# Altium PCB Main_PCB.PcbDoc (part 4 of 13) (continued)
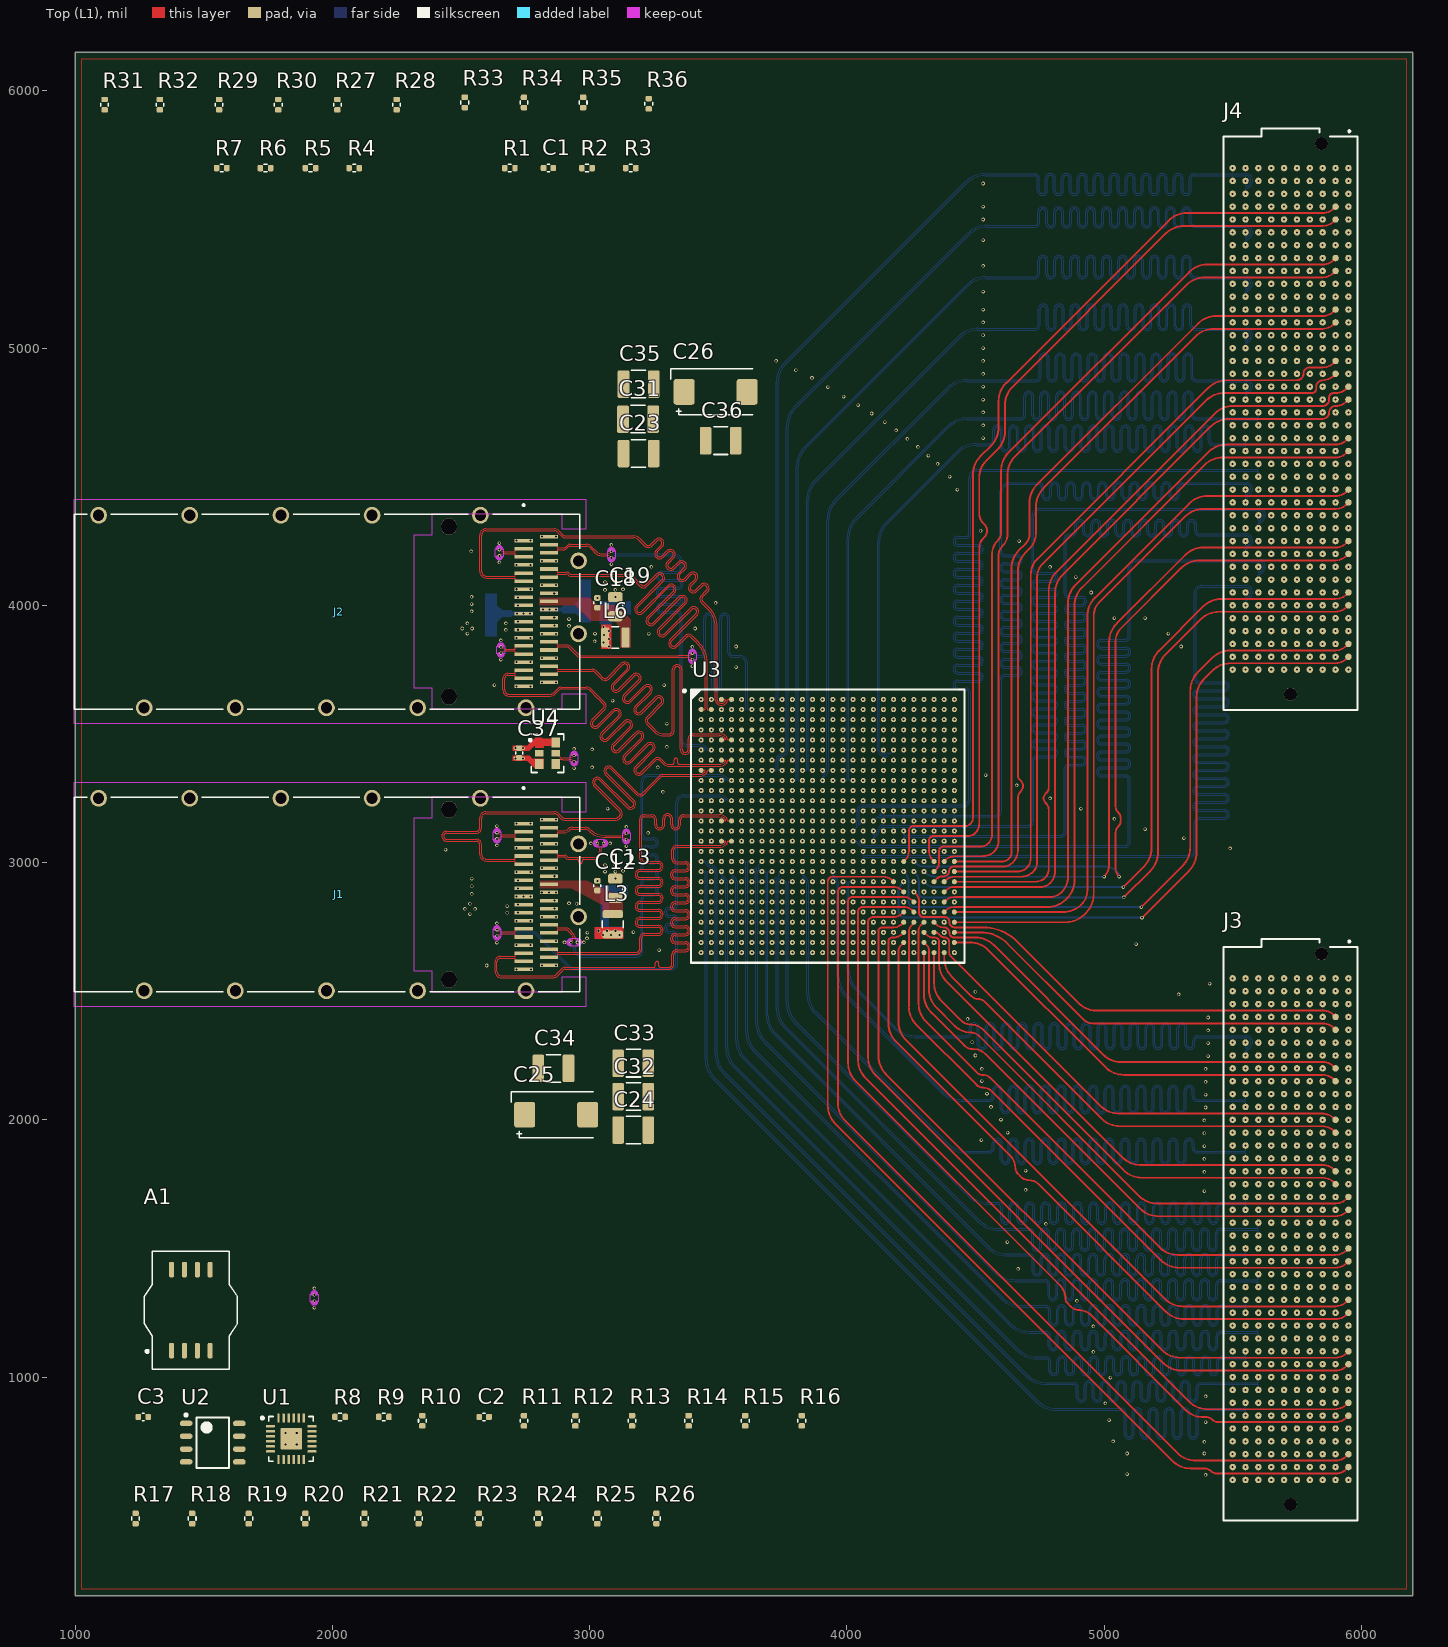
[diagram p0: Top (L1) view]
## Nets (pads, with @x,y where several pads share a name; then routed paths per layer and width w, separated by ;. In a path a pad name is that pad's centre, name@x,y a point inside that pad or via, vN(x,y) a via of type N, cw(c..) or ccw(c..) an arc to the next point about the centre after c; other vN are vias at no path point) (continued)
HPCC_A_30_N: J3.E23 U3.AD9 | length 3575.2
  Int7 (L8) w3.5: v1(3748.82,2728.74) 3748.82,2741.18 cw(c3752.32,2741.18) 3749.84,2743.65 cw(c3752.32,2741.18) 3752.32,2744.68 cw(c3752.32,2741.18) 3754.79,2743.65 cw(c3730.15,2719.01) 3765,2719.01 3765,2452.62 ccw(c3873.8,2452.62) 3796.87,2375.69 4670.09,1502.47 ccw(c4747.02,1579.4) 4747.02,1470.6 4889.94,1470.6 4928.4,1470.6 cw(c4928.4,1458.85) 4940.15,1458.85 4940.15,1418.62 ccw(c4960.7,1418.62) 4981.25,1418.62 4981.25,1459.82 cw(c4993,1459.82) 5004.75,1459.82 5004.75,1418.62 ccw(c5025.3,1418.62) 5045.85,1418.62 5045.85,1459.82 cw(c5057.6,1459.82) 5069.35,1459.82 5069.35,1418.62 ccw(c5089.9,1418.62) 5110.45,1418.62 5110.45,1459.82 cw(c5122.2,1459.82) 5133.95,1459.82 5133.95,1418.62 ccw(c5154.5,1418.62) 5175.05,1418.62 5175.05,1459.82 cw(c5186.8,1459.82) 5198.55,1459.82 5198.55,1418.62 ccw(c5219.1,1418.62) 5239.65,1418.62 5239.65,1459.82 cw(c5251.4,1459.82) 5263.15,1459.82 5263.15,1418.62 ccw(c5283.7,1418.62) 5304.25,1418.62 5304.25,1459.82 cw(c5316,1459.82) 5327.75,1459.82 5327.75,1418.62 ccw(c5348.3,1418.62) 5368.85,1418.62 5368.85,1458.85 cw(c5380.6,1458.85) 5380.6,1470.6 5409,1470.6 5746.5,1470.6 cw(c5746.5,1467.1) 5748.97,1469.57 cw(c5746.5,1467.1) 5750,1467.1 v1(5750,1450)
HPCC_A_30_P: J3.E22 U3.AC9 | length 3573.6
  Int7 (L8) w3.5: v1(3748.82,2768.11) 3748.82,2755.68 ccw(c3752.32,2755.68) 3749.84,2753.2 ccw(c3752.32,2755.68) 3752.32,2752.18 3752.37,2752.18 cw(c3752.37,2741.3) 3760.06,2748.99 3760.17,2748.88 cw(c3730.41,2719.12) 3772.5,2719.12 3772.5,2625 cw(c3769.36,2621.86) 3773.8,2621.86 3773.8,2452.62 ccw(c3873.8,2452.62) 3803.09,2381.91 4676.31,1508.69 ccw(c4747.02,1579.4) 4747.02,1479.4 4889.94,1479.4 4928.4,1479.4 cw(c4928.4,1458.85) 4948.95,1458.85 4948.95,1418.62 ccw(c4960.7,1418.62) 4972.45,1418.62 4972.45,1459.82 cw(c4993,1459.82) 5013.55,1459.82 5013.55,1418.62 ccw(c5025.3,1418.62) 5037.05,1418.62 5037.05,1459.82 cw(c5057.6,1459.82) 5078.15,1459.82 5078.15,1418.62 ccw(c5089.9,1418.62) 5101.65,1418.62 5101.65,1459.82 cw(c5122.2,1459.82) 5142.75,1459.82 5142.75,1418.62 ccw(c5154.5,1418.62) 5166.25,1418.62 5166.25,1459.82 cw(c5186.8,1459.82) 5207.35,1459.82 5207.35,1418.62 ccw(c5219.1,1418.62) 5230.85,1418.62 5230.85,1459.82 cw(c5251.4,1459.82) 5271.95,1459.82 5271.95,1418.62 ccw(c5283.7,1418.62) 5295.45,1418.62 5295.45,1459.82 cw(c5316,1459.82) 5336.55,1459.82 5336.55,1418.62 ccw(c5348.3,1418.62) 5360.05,1418.62 5360.05,1458.85 cw(c5380.6,1458.85) 5380.6,1479.4 5409,1479.4 5746.5,1479.4 ccw(c5746.5,1482.9) 5748.97,1480.43 ccw(c5746.5,1482.9) 5750,1482.9 v1(5750,1500)
HPCC_A_31_N: J3.E27 U3.AC7 | length 3572.1
  Int7 (L8) w3.5: v1(3670.08,2768.11) 3670.08,2780.55 cw(c3673.58,2780.55) 3675.59,2783.41 3679.1,2780.95 cw(c3670.08,2768.11) 3685.77,2768.11 3685.77,2689.42 ccw(c3696.77,2689.42) 3685.77,2689.28 3686.26,2649.55 3686.26,2625 3686.26,2406.36 ccw(c3795.06,2406.36) 3718.13,2329.43 4745.09,1302.47 ccw(c4822.02,1379.4) 4822.02,1270.6 5017.69,1270.6 5056.14,1270.6 cw(c5056.14,1258.85) 5067.89,1258.85 5067.89,1217.86 ccw(c5088.44,1217.86) 5108.99,1217.86 5108.99,1259.65 cw(c5120.74,1259.65) 5132.49,1259.65 5132.49,1217.86 ccw(c5153.04,1217.86) 5173.59,1217.86 5173.59,1259.65 cw(c5185.34,1259.65) 5197.09,1259.65 5197.09,1217.86 ccw(c5217.64,1217.86) 5238.19,1217.86 5238.19,1259.65 cw(c5249.94,1259.65) 5261.69,1259.65 5261.69,1217.86 ccw(c5282.24,1217.86) 5302.79,1217.86 5302.79,1259.65 cw(c5314.54,1259.65) 5326.29,1259.65 5326.29,1217.86 ccw(c5346.84,1217.86) 5367.39,1217.86 5367.39,1258.85 cw(c5379.14,1258.85) 5379.14,1270.6 5413,1270.6 5746.5,1270.6 cw(c5746.5,1267.1) 5748.97,1269.57 cw(c5746.5,1267.1) 5750,1267.1 v1(5750,1250)
HPCC_A_31_P: J3.E26 U3.AB7 | length 3570.4
  Int7 (L8) w3.5: v1(3670.08,2807.48) 3670.08,2795.05 ccw(c3673.58,2795.05) 3673.58,2791.55 cw(c3673.58,2780.55) 3679.9,2789.55 3683.45,2787.05 cw(c3670.08,2768.11) 3693.27,2768.11 3693.27,2689.42 ; 3693.27,2689.37 3693.76,2649.64 3693.76,2625 cw(c3690.62,2621.86) 3695.06,2621.86 3695.06,2406.36 ccw(c3795.06,2406.36) 3724.35,2335.65 4751.31,1308.69 ccw(c4822.02,1379.4) 4822.02,1279.4 5017.69,1279.4 5056.14,1279.4 cw(c5056.14,1258.85) 5076.69,1258.85 5076.69,1217.86 ccw(c5088.44,1217.86) 5100.19,1217.86 5100.19,1259.65 cw(c5120.74,1259.65) 5141.29,1259.65 5141.29,1217.86 ccw(c5153.04,1217.86) 5164.79,1217.86 5164.79,1259.65 cw(c5185.34,1259.65) 5205.89,1259.65 5205.89,1217.86 ccw(c5217.64,1217.86) 5229.39,1217.86 5229.39,1259.65 cw(c5249.94,1259.65) 5270.49,1259.65 5270.49,1217.86 ccw(c5282.24,1217.86) 5293.99,1217.86 5293.99,1259.65 cw(c5314.54,1259.65) 5335.09,1259.65 5335.09,1217.86 ccw(c5346.84,1217.86) 5358.59,1217.86 5358.59,1258.85 cw(c5379.14,1258.85) 5379.14,1279.4 5413,1279.4 5746.5,1279.4 ccw(c5746.5,1282.9) 5748.97,1280.43 ccw(c5746.5,1282.9) 5750,1282.9 v1(5750,1300)
HPCC_A_32_N: J3.E31 U3.AB5 | length 3571.8
  Int7 (L8) w3.5: v1(3591.34,2807.48) 3591.34,2819.92 cw(c3594.84,2819.92) 3596.85,2822.78 3600.36,2820.32 cw(c3591.34,2807.48) 3607.03,2807.48 3607.03,2805.91 3607.03,2340.6 ccw(c3715.83,2340.6) 3638.89,2263.66 4800.09,1102.47 ccw(c4877.02,1179.4) 4877.02,1070.6 5082,1070.6 5120.45,1070.6 cw(c5120.45,1058.85) 5132.2,1058.85 5132.2,1032.47 ccw(c5152.75,1032.47) 5173.3,1032.47 5173.3,1059.15 cw(c5185.05,1059.15) 5196.8,1059.15 5196.8,1032.47 ccw(c5217.35,1032.47) 5237.9,1032.47 5237.9,1059.15 cw(c5249.65,1059.15) 5261.4,1059.15 5261.4,1032.47 ccw(c5281.95,1032.47) 5302.5,1032.47 5302.5,1059.15 cw(c5314.25,1059.15) 5326,1059.15 5326,1032.47 ccw(c5346.55,1032.47) 5367.1,1032.47 5367.1,1058.85 cw(c5378.85,1058.85) 5378.85,1070.6 5408,1070.6 5746.5,1070.6 cw(c5746.5,1067.1) 5748.97,1069.57 cw(c5746.5,1067.1) 5750,1067.1 v1(5750,1050)
HPCC_A_32_P: J3.E30 U3.AA5 | length 3568.5
  Int7 (L8) w3.5: v1(3591.34,2846.85) 3591.34,2834.42 ccw(c3594.84,2834.42) 3594.84,2830.92 cw(c3594.84,2819.92) 3601.16,2828.92 3604.67,2826.45 cw(c3591.34,2807.48) 3614.53,2807.47 ; 3614.53,2805.91 3614.53,2625 cw(c3611.39,2621.86) 3615.83,2621.86 3615.83,2340.6 ccw(c3715.83,2340.6) 3645.11,2269.89 4806.31,1108.69 ccw(c4877.02,1179.4) 4877.02,1079.4 5082,1079.4 5120.45,1079.4 cw(c5120.45,1058.85) 5141,1058.85 5141,1032.47 ccw(c5152.75,1032.47) 5164.5,1032.47 5164.5,1059.15 cw(c5185.05,1059.15) 5205.6,1059.15 5205.6,1032.47 ccw(c5217.35,1032.47) 5229.1,1032.47 5229.1,1059.15 cw(c5249.65,1059.15) 5270.2,1059.15 5270.2,1032.47 ccw(c5281.95,1032.47) 5293.7,1032.47 5293.7,1059.15 cw(c5314.25,1059.15) 5334.8,1059.15 5334.8,1032.47 ccw(c5346.55,1032.47) 5358.3,1032.47 5358.3,1058.85 cw(c5378.85,1058.85) 5378.85,1079.4 5408,1079.4 5746.5,1079.4 ccw(c5746.5,1082.9) 5748.97,1080.43 ccw(c5746.5,1082.9) 5750,1082.9 v1(5750,1100)
HPCC_A_33_N: J3.E35 U3.AD3 | length 3577.7
  Int7 (L8) w3.5: v1(3512.6,2728.74) 3525.03,2728.74 cw(c3525.03,2725.24) 3527.51,2727.72 cw(c3525.03,2725.24) 3528.53,2725.24 3528.53,2279.09 ccw(c3637.33,2279.09) 3560.4,2202.15 4860.09,902.47 ccw(c4937.02,979.4) 4937.02,870.6 5145.64,870.6 5184.09,870.6 cw(c5184.09,858.85) 5195.84,858.85 5195.84,832.35 ccw(c5216.39,832.35) 5236.94,832.35 5236.94,859.59 cw(c5248.69,859.59) 5260.44,859.59 5260.44,832.35 ccw(c5280.99,832.35) 5301.54,832.35 5301.54,859.59 cw(c5313.29,859.59) 5325.04,859.59 5325.04,832.35 ccw(c5345.59,832.35) 5366.14,832.35 5366.14,858.85 cw(c5377.89,858.85) 5377.89,870.6 5435,870.6 5746.5,870.6 cw(c5746.5,867.1) 5748.97,869.57 cw(c5746.5,867.1) 5750,867.1 v1(5750,850)
HPCC_A_33_P: J3.E34 U3.AD4 | length 3564.2
  Int7 (L8) w3.5: v1(3551.97,2728.74) 3539.53,2728.74 ccw(c3539.53,2725.24) 3537.06,2727.72 ccw(c3539.53,2725.24) 3536.03,2725.24 3536.03,2625 cw(c3532.89,2621.86) 3537.33,2621.86 3537.33,2279.09 ccw(c3637.33,2279.09) 3566.62,2208.38 4866.31,908.69 ccw(c4937.02,979.4) 4937.02,879.4 5145.64,879.4 5184.09,879.4 cw(c5184.09,858.85) 5204.64,858.85 5204.64,832.35 ccw(c5216.39,832.35) 5228.14,832.35 5228.14,859.59 cw(c5248.69,859.59) 5269.24,859.59 5269.24,832.35 ccw(c5280.99,832.35) 5292.74,832.35 5292.74,859.59 cw(c5313.29,859.59) 5333.84,859.59 5333.84,832.35 ccw(c5345.59,832.35) 5357.34,832.35 5357.34,858.85 cw(c5377.89,858.85) 5377.89,879.4 5435,879.4 5746.5,879.4 ccw(c5746.5,882.9) 5748.97,880.43 ccw(c5746.5,882.9) 5750,882.9 v1(5750,900)
HPCC_A_34_N: J3.E39 U3.AF2 | length 3701.8
  Int2 (L3) w3.5: v1(3473.23,2650) 3485.66,2650 cw(c3485.66,2646.5) 3488.14,2648.97 cw(c3485.66,2646.5) 3489.16,2646.5 3489.16,2253.46 ccw(c3597.96,2253.46) 3521.03,2176.52 4995.09,702.47 ccw(c5072.02,779.4) 5072.02,670.6 5081.67,670.6 5120.12,670.6 cw(c5120.12,658.85) 5131.87,658.85 5131.87,638.99 ccw(c5152.42,638.99) 5172.97,638.99 5172.97,664.15 cw(c5184.72,664.15) 5196.47,664.15 5196.47,638.99 ccw(c5217.02,638.99) 5237.57,638.99 5237.57,664.15 cw(c5249.32,664.15) 5261.07,664.15 5261.07,638.99 ccw(c5281.62,638.99) 5302.17,638.99 5302.17,664.15 cw(c5313.92,664.15) 5325.67,664.15 5325.67,638.99 ccw(c5346.22,638.99) 5366.77,638.99 5366.77,658.85 cw(c5378.52,658.85) 5378.52,670.6 5403,670.6 5746.5,670.6 cw(c5746.5,667.1) 5748.97,669.57 cw(c5746.5,667.1) 5750,667.1 v1(5750,650)
HPCC_A_34_P: J3.E38 U3.AF3 | length 3688.3
  Int2 (L3) w3.5: v1(3512.6,2650) 3500.16,2650 ccw(c3500.16,2646.5) 3497.69,2648.97 ccw(c3500.16,2646.5) 3496.66,2646.5 3496.66,2625 cw(c3493.53,2621.86) 3497.96,2621.86 3497.96,2253.46 ccw(c3597.96,2253.46) 3527.25,2182.75 5001.31,708.69 ccw(c5072.02,779.4) 5072.02,679.4 5081.67,679.4 5120.12,679.4 cw(c5120.12,658.85) 5140.67,658.85 5140.67,638.99 ccw(c5152.42,638.99) 5164.17,638.99 5164.17,664.15 cw(c5184.72,664.15) 5205.27,664.15 5205.27,638.99 ccw(c5217.02,638.99) 5228.77,638.99 5228.77,664.15 cw(c5249.32,664.15) 5269.87,664.15 5269.87,638.99 ccw(c5281.62,638.99) 5293.37,638.99 5293.37,664.15 cw(c5313.92,664.15) 5334.47,664.15 5334.47,638.99 ccw(c5346.22,638.99) 5357.97,638.99 5357.97,658.85 cw(c5378.52,658.85) 5378.52,679.4 5403,679.4 5746.5,679.4 ccw(c5746.5,682.9) 5748.97,680.43 ccw(c5746.5,682.9) 5750,682.9 v1(5750,700)
HPCC_A_35_N: J3.F5 U3.AD18 | length 3562.8
  Int7 (L8) w3.5: v1(4103.15,2728.74) 4103.15,2741.18 cw(c4106.65,2741.18) 4104.17,2743.65 cw(c4106.65,2741.18) 4106.65,2744.68 cw(c4106.65,2741.18) 4109.12,2743.65 cw(c4085.28,2719.81) 4119,2719.81 4119,2625 ccw(c4149.04,2625) 4127.8,2603.76 4281.69,2449.87 ccw(c4358.62,2526.8) 4358.62,2418 4473.44,2418 4479.59,2418 ccw(c4479.59,2438.55) 4500.14,2438.55 4500.14,2453.58 cw(c4511.89,2453.58) 4523.64,2453.58 4523.64,2389.46 ccw(c4544.19,2389.46) 4564.74,2389.46 4564.74,2453.58 cw(c4576.49,2453.58) 4588.24,2453.58 4588.24,2389.46 ccw(c4608.79,2389.46) 4629.34,2389.46 4629.34,2453.58 cw(c4641.09,2453.58) 4652.84,2453.58 4652.84,2389.46 ccw(c4673.39,2389.46) 4693.94,2389.46 4693.94,2453.58 cw(c4705.69,2453.58) 4717.44,2453.58 4717.44,2389.46 ccw(c4737.99,2389.46) 4758.54,2389.46 4758.54,2453.58 cw(c4770.29,2453.58) 4782.04,2453.58 4782.04,2389.46 ccw(c4802.59,2389.46) 4823.14,2389.46 4823.14,2453.58 cw(c4834.89,2453.58) 4846.64,2453.58 4846.64,2389.46 ccw(c4867.19,2389.46) 4887.74,2389.46 4887.74,2453.58 cw(c4899.49,2453.58) 4911.24,2453.58 4911.24,2389.46 ccw(c4931.79,2389.46) 4952.34,2389.46 4952.34,2453.58 cw(c4964.09,2453.58) 4975.84,2453.58 4975.84,2389.46 ccw(c4996.39,2389.46) 5016.94,2389.46 5016.94,2453.58 cw(c5028.69,2453.58) 5040.44,2453.58 5040.44,2389.46 ccw(c5060.99,2389.46) 5081.54,2389.46 5081.54,2453.58 cw(c5093.29,2453.58) 5105.04,2453.58 5105.04,2389.46 ccw(c5125.59,2389.46) 5146.14,2389.46 5146.14,2453.58 cw(c5157.89,2453.58) 5169.64,2453.58 5169.64,2438.55 ccw(c5190.19,2438.55) 5190.19,2418 5234,2418 5254,2418 cw(c5254,2377.51) 5282.63,2406.14 5303.29,2385.48 ccw(c5339.22,2421.41) 5339.22,2370.6 5696.5,2370.6 cw(c5696.5,2367.1) 5698.97,2369.57 cw(c5696.5,2367.1) 5700,2367.1 v1(5700,2350)
HPCC_A_35_P: J3.F4 U3.AC18 | length 3561.5
  Int7 (L8) w3.5: v1(4103.15,2768.11) 4103.15,2755.68 ccw(c4106.65,2755.68) 4104.17,2753.2 ccw(c4106.65,2755.68) 4106.65,2752.18 4106.7,2752.18 cw(c4106.7,2741.3) 4114.39,2748.99 4114.51,2748.88 cw(c4085.55,2719.92) 4126.5,2719.92 4126.5,2625 cw(c4123.36,2621.86) 4127.8,2621.86 ccw(c4141.47,2621.86) 4131.8,2612.2 4287.91,2456.09 ccw(c4358.62,2526.8) 4358.62,2426.8 4473.44,2426.8 4479.59,2426.8 ccw(c4479.59,2438.55) 4491.34,2438.55 4491.34,2453.58 cw(c4511.89,2453.58) 4532.44,2453.58 4532.44,2389.46 ccw(c4544.19,2389.46) 4555.94,2389.46 4555.94,2453.58 cw(c4576.49,2453.58) 4597.04,2453.58 4597.04,2389.46 ccw(c4608.79,2389.46) 4620.54,2389.46 4620.54,2453.58 cw(c4641.09,2453.58) 4661.64,2453.58 4661.64,2389.46 ccw(c4673.39,2389.46) 4685.14,2389.46 4685.14,2453.58 cw(c4705.69,2453.58) 4726.24,2453.58 4726.24,2389.46 ccw(c4737.99,2389.46) 4749.74,2389.46 4749.74,2453.58 cw(c4770.29,2453.58) 4790.84,2453.58 4790.84,2389.46 ccw(c4802.59,2389.46) 4814.34,2389.46 4814.34,2453.58 cw(c4834.89,2453.58) 4855.44,2453.58 4855.44,2389.46 ccw(c4867.19,2389.46) 4878.94,2389.46 4878.94,2453.58 cw(c4899.49,2453.58) 4920.04,2453.58 4920.04,2389.46 ccw(c4931.79,2389.46) 4943.54,2389.46 4943.54,2453.58 cw(c4964.09,2453.58) 4984.64,2453.58 4984.64,2389.46 ccw(c4996.39,2389.46) 5008.14,2389.46 5008.14,2453.58 cw(c5028.69,2453.58) 5049.24,2453.58 5049.24,2389.46 ccw(c5060.99,2389.46) 5072.74,2389.46 5072.74,2453.58 cw(c5093.29,2453.58) 5113.84,2453.58 5113.84,2389.46 ccw(c5125.59,2389.46) 5137.34,2389.46 5137.34,2453.58 cw(c5157.89,2453.58) 5178.44,2453.58 5178.44,2438.55 ccw(c5190.19,2438.55) 5190.19,2426.8 5234,2426.8 5254,2426.8 cw(c5254,2377.51) 5288.86,2412.36 5309.51,2391.7 ccw(c5339.22,2421.41) 5339.22,2379.4 5696.5,2379.4 ccw(c5696.5,2382.9) 5698.97,2380.43 ccw(c5696.5,2382.9) 5700,2382.9 v1(5700,2400)
HPCC_A_36_N: J3.F9 U3.AC16 | length 3563.8
  Int7 (L8) w3.5: v1(4024.41,2768.11) 4024.41,2780.55 cw(c4027.91,2780.55) 4029.92,2783.41 4033.43,2780.95 cw(c4024.41,2768.11) 4040.09,2767.77 ccw(c4043.84,2767.71) 4040.09,2767.68 ccw(c4051.09,2767.62) 4040.09,2767.62 4040.09,2729.15 ccw(c4051.09,2729.21) 4040.09,2729.05 cw(c4024.41,2728.74) 4040.1,2728.74 4040.1,2689.37 cw(c4024.41,2689.37) 4040.1,2689.19 4040.1,2657.3 4040.1,2650 4040.1,2602.53 ccw(c4148.9,2602.53) 4071.96,2525.59 4395.09,2202.47 ccw(c4472.02,2279.4) 4472.02,2170.6 4570.29,2170.6 4608.74,2170.6 cw(c4608.74,2158.85) 4620.49,2158.85 4620.49,2116.43 ccw(c4641.04,2116.43) 4661.59,2116.43 4661.59,2159.91 cw(c4673.34,2159.91) 4685.09,2159.91 4685.09,2116.43 ccw(c4705.64,2116.43) 4726.19,2116.43 4726.19,2159.91 cw(c4737.94,2159.91) 4749.69,2159.91 4749.69,2116.43 ccw(c4770.24,2116.43) 4790.79,2116.43 4790.79,2159.91 cw(c4802.54,2159.91) 4814.29,2159.91 4814.29,2116.43 ccw(c4834.84,2116.43) 4855.39,2116.43 4855.39,2159.91 cw(c4867.14,2159.91) 4878.89,2159.91 4878.89,2116.43 ccw(c4899.44,2116.43) 4919.99,2116.43 4919.99,2159.91 cw(c4931.74,2159.91) 4943.49,2159.91 4943.49,2116.43 ccw(c4964.04,2116.43) 4984.59,2116.43 4984.59,2159.91 cw(c4996.34,2159.91) 5008.09,2159.91 5008.09,2116.43 ccw(c5028.64,2116.43) 5049.19,2116.43 5049.19,2159.91 cw(c5060.94,2159.91) 5072.69,2159.91 5072.69,2116.43 ccw(c5093.24,2116.43) 5113.79,2116.43 5113.79,2159.91 cw(c5125.54,2159.91) 5137.29,2159.91 5137.29,2116.43 ccw(c5157.84,2116.43) 5178.39,2116.43 5178.39,2159.91 cw(c5190.14,2159.91) 5201.89,2159.91 5201.89,2116.43 ccw(c5222.44,2116.43) 5242.99,2116.43 5242.99,2159.91 cw(c5254.74,2159.91) 5266.49,2159.91 5266.49,2116.43 ccw(c5287.04,2116.43) 5307.59,2116.43 5307.59,2159.91 cw(c5319.34,2159.91) 5331.09,2159.91 5331.09,2116.43 ccw(c5351.64,2116.43) 5372.19,2116.43 5372.19,2158.85 cw(c5383.94,2158.85) 5383.94,2170.6 5408,2170.6 5696.5,2170.6 cw(c5696.5,2167.1) 5698.97,2169.57 cw(c5696.5,2167.1) 5700,2167.1 v1(5700,2150)
HPCC_A_36_P: J3.F8 U3.AB16 | length 3562.9
  Int7 (L8) w3.5: v1(4024.41,2807.48) 4024.41,2795.05 ccw(c4027.91,2795.05) 4027.91,2791.55 cw(c4027.91,2780.55) 4034.23,2789.55 4037.78,2787.05 cw(c4024.41,2768.11) 4047.59,2767.71 ; 4047.59,2729.17 cw(c4024.41,2728.74) 4047.6,2728.74 4047.6,2689.37 cw(c4024.41,2689.37) 4047.6,2689.15 4047.6,2657.3 4047.6,2650 4047.6,2649.9 4047.6,2625 cw(c4044.46,2621.86) 4048.9,2621.86 4048.9,2592.4 ccw(c4124.46,2592.4) 4049.45,2583.27 ccw(c4052.92,2583.72) 4049.49,2583.04 ccw(c4148.9,2602.53) 4064.85,2545.98 ccw(c4067.74,2547.96) 4064.96,2545.82 ccw(c4124.46,2592.4) 4071.03,2538.97 4401.31,2208.69 ccw(c4472.02,2279.4) 4472.02,2179.4 4570.29,2179.4 4608.74,2179.4 cw(c4608.74,2158.85) 4629.29,2158.85 4629.29,2116.43 ccw(c4641.04,2116.43) 4652.79,2116.43 4652.79,2159.91 cw(c4673.34,2159.91) 4693.89,2159.91 4693.89,2116.43 ccw(c4705.64,2116.43) 4717.39,2116.43 4717.39,2159.91 cw(c4737.94,2159.91) 4758.49,2159.91 4758.49,2116.43 ccw(c4770.24,2116.43) 4781.99,2116.43 4781.99,2159.91 cw(c4802.54,2159.91) 4823.09,2159.91 4823.09,2116.43 ccw(c4834.84,2116.43) 4846.59,2116.43 4846.59,2159.91 cw(c4867.14,2159.91) 4887.69,2159.91 4887.69,2116.43 ccw(c4899.44,2116.43) 4911.19,2116.43 4911.19,2159.91 cw(c4931.74,2159.91) 4952.29,2159.91 4952.29,2116.43 ccw(c4964.04,2116.43) 4975.79,2116.43 4975.79,2159.91 cw(c4996.34,2159.91) 5016.89,2159.91 5016.89,2116.43 ccw(c5028.64,2116.43) 5040.39,2116.43 5040.39,2159.91 cw(c5060.94,2159.91) 5081.49,2159.91 5081.49,2116.43 ccw(c5093.24,2116.43) 5104.99,2116.43 5104.99,2159.91 cw(c5125.54,2159.91) 5146.09,2159.91 5146.09,2116.43 ccw(c5157.84,2116.43) 5169.59,2116.43 5169.59,2159.91 cw(c5190.14,2159.91) 5210.69,2159.91 5210.69,2116.43 ccw(c5222.44,2116.43) 5234.19,2116.43 5234.19,2159.91 cw(c5254.74,2159.91) 5275.29,2159.91 5275.29,2116.43 ccw(c5287.04,2116.43) 5298.79,2116.43 5298.79,2159.91 cw(c5319.34,2159.91) 5339.89,2159.91 5339.89,2116.43 ccw(c5351.64,2116.43) 5363.39,2116.43 5363.39,2158.85 cw(c5383.94,2158.85) 5383.94,2179.4 5408,2179.4 5696.5,2179.4 ccw(c5696.5,2182.9) 5698.97,2180.43 ccw(c5696.5,2182.9) 5700,2182.9 v1(5700,2200) ; 4047.59,2729.18 4047.59,2767.62
HPCC_A_37_N: J3.F13 U3.AD14 | length 3572.2
  Int7 (L8) w3.5: v1(3945.67,2728.74) 3945.67,2741.18 cw(c3949.17,2741.18) 3946.69,2743.65 cw(c3949.17,2741.18) 3949.17,2744.68 cw(c3949.17,2741.18) 3951.64,2743.65 cw(c3926.64,2718.65) 3962,2718.65 3962,2692.15 cw(c3958.5,2692.17) 3961.98,2691.83 ccw(c3985.04,2689.37) 3961.85,2689.37 3961.85,2650 ccw(c3985.04,2650) 3961.98,2647.54 cw(c3958.5,2647.2) 3962,2647.22 3962,2555.62 ccw(c4070.8,2555.62) 3993.87,2478.69 4470.09,2002.47 ccw(c4547.02,2079.4) 4547.02,1970.6 4631.77,1970.6 4670.23,1970.6 cw(c4670.23,1958.85) 4681.98,1958.85 4681.98,1917.61 ccw(c4702.53,1917.61) 4723.08,1917.61 4723.08,1960.42 cw(c4734.83,1960.42) 4746.58,1960.42 4746.58,1917.61 ccw(c4767.13,1917.61) 4787.68,1917.61 4787.68,1960.42 cw(c4799.43,1960.42) 4811.18,1960.42 4811.18,1917.61 ccw(c4831.73,1917.61) 4852.28,1917.61 4852.28,1960.42 cw(c4864.03,1960.42) 4875.78,1960.42 4875.78,1917.61 ccw(c4896.33,1917.61) 4916.88,1917.61 4916.88,1960.42 cw(c4928.63,1960.42) 4940.38,1960.42 4940.38,1917.61 ccw(c4960.93,1917.61) 4981.48,1917.61 4981.48,1960.42 cw(c4993.23,1960.42) 5004.98,1960.42 5004.98,1917.61 ccw(c5025.53,1917.61) 5046.08,1917.61 5046.08,1960.42 cw(c5057.83,1960.42) 5069.58,1960.42 5069.58,1917.61 ccw(c5090.13,1917.61) 5110.68,1917.61 5110.68,1960.42 cw(c5122.43,1960.42) 5134.18,1960.42 5134.18,1917.61 ccw(c5154.73,1917.61) 5175.28,1917.61 5175.28,1960.42 cw(c5187.03,1960.42) 5198.78,1960.42 5198.78,1917.61 ccw(c5219.33,1917.61) 5239.88,1917.61 5239.88,1960.42 cw(c5251.63,1960.42) 5263.38,1960.42 5263.38,1917.61 ccw(c5283.93,1917.61) 5304.48,1917.61 5304.48,1960.42 cw(c5316.23,1960.42) 5327.98,1960.42 5327.98,1917.61 ccw(c5348.53,1917.61) 5369.08,1917.61 5369.08,1958.85 cw(c5380.83,1958.85) 5380.83,1970.6 5411,1970.6 5696.5,1970.6 cw(c5696.5,1967.1) 5698.97,1969.57 cw(c5696.5,1967.1) 5700,1967.1 v1(5700,1950)
HPCC_A_37_P: J3.F12 U3.AC14 | length 3570.5
  Int7 (L8) w3.5: v1(3945.67,2768.11) 3945.67,2755.68 ccw(c3949.17,2755.68) 3946.69,2753.2 ccw(c3949.17,2755.68) 3949.17,2752.18 3949.22,2752.18 cw(c3949.22,2741.3) 3956.91,2748.99 3956.97,2748.93 cw(c3926.74,2718.69) 3969.5,2718.69 ; 3969.5,2718.67 3969.5,2692.13 cw(c3958.5,2692.17) 3969.44,2691.06 ccw(c3985.04,2689.37) 3969.35,2689.37 3969.35,2650 ccw(c3985.04,2650) 3969.44,2648.33 cw(c3958.5,2647.2) 3969.5,2647.24 3969.5,2625 cw(c3966.36,2621.86) 3970.8,2621.86 3970.8,2555.62 ccw(c4070.8,2555.62) 4000.09,2484.91 4476.31,2008.69 ccw(c4547.02,2079.4) 4547.02,1979.4 4631.77,1979.4 4670.23,1979.4 cw(c4670.23,1958.85) 4690.78,1958.85 4690.78,1917.61 ccw(c4702.53,1917.61) 4714.28,1917.61 4714.28,1960.42 cw(c4734.83,1960.42) 4755.38,1960.42 4755.38,1917.61 ccw(c4767.13,1917.61) 4778.88,1917.61 4778.88,1960.42 cw(c4799.43,1960.42) 4819.98,1960.42 4819.98,1917.61 ccw(c4831.73,1917.61) 4843.48,1917.61 4843.48,1960.42 cw(c4864.03,1960.42) 4884.58,1960.42 4884.58,1917.61 ccw(c4896.33,1917.61) 4908.08,1917.61 4908.08,1960.42 cw(c4928.63,1960.42) 4949.18,1960.42 4949.18,1917.61 ccw(c4960.93,1917.61) 4972.68,1917.61 4972.68,1960.42 cw(c4993.23,1960.42) 5013.78,1960.42 5013.78,1917.61 ccw(c5025.53,1917.61) 5037.28,1917.61 5037.28,1960.42 cw(c5057.83,1960.42) 5078.38,1960.42 5078.38,1917.61 ccw(c5090.13,1917.61) 5101.88,1917.61 5101.88,1960.42 cw(c5122.43,1960.42) 5142.98,1960.42 5142.98,1917.61 ccw(c5154.73,1917.61) 5166.48,1917.61 5166.48,1960.42 cw(c5187.03,1960.42) 5207.58,1960.42 5207.58,1917.61 ccw(c5219.33,1917.61) 5231.08,1917.61 5231.08,1960.42 cw(c5251.63,1960.42) 5272.18,1960.42 5272.18,1917.61 ccw(c5283.93,1917.61) 5295.68,1917.61 5295.68,1960.42 cw(c5316.23,1960.42) 5336.78,1960.42 5336.78,1917.61 ccw(c5348.53,1917.61) 5360.28,1917.61 5360.28,1958.85 cw(c5380.83,1958.85) 5380.83,1979.4 5411,1979.4 5696.5,1979.4 ccw(c5696.5,1982.9) 5698.97,1980.43 ccw(c5696.5,1982.9) 5700,1982.9 v1(5700,2000)
HPCC_A_38_N: J3.F17 U3.AC12 | length 3566.6
  Int7 (L8) w3.5: v1(3866.93,2768.11) 3866.93,2780.55 cw(c3870.43,2780.55) 3867.95,2783.02 cw(c3870.43,2780.55) 3870.43,2784.05 cw(c3870.43,2780.55) 3872.9,2783.02 cw(c3848.53,2758.65) 3883,2758.65 3883,2509.62 ccw(c3991.8,2509.62) 3914.87,2432.69 4545.09,1802.47 ccw(c4622.02,1879.4) 4622.02,1770.6 4760,1770.6 4798.45,1770.6 cw(c4798.45,1758.85) 4810.2,1758.85 4810.2,1716.07 ccw(c4830.75,1716.07) 4851.3,1716.07 4851.3,1759.39 cw(c4863.05,1759.39) 4874.8,1759.39 4874.8,1716.07 ccw(c4895.35,1716.07) 4915.9,1716.07 4915.9,1759.39 cw(c4927.65,1759.39) 4939.4,1759.39 4939.4,1716.07 ccw(c4959.95,1716.07) 4980.5,1716.07 4980.5,1759.39 cw(c4992.25,1759.39) 5004,1759.39 5004,1716.07 ccw(c5024.55,1716.07) 5045.1,1716.07 5045.1,1759.39 cw(c5056.85,1759.39) 5068.6,1759.39 5068.6,1716.07 ccw(c5089.15,1716.07) 5109.7,1716.07 5109.7,1759.39 cw(c5121.45,1759.39) 5133.2,1759.39 5133.2,1716.07 ccw(c5153.75,1716.07) 5174.3,1716.07 5174.3,1759.39 cw(c5186.05,1759.39) 5197.8,1759.39 5197.8,1716.07 ccw(c5218.35,1716.07) 5238.9,1716.07 5238.9,1759.39 cw(c5250.65,1759.39) 5262.4,1759.39 5262.4,1716.07 ccw(c5282.95,1716.07) 5303.5,1716.07 5303.5,1759.39 cw(c5315.25,1759.39) 5327,1759.39 5327,1716.07 ccw(c5347.55,1716.07) 5368.1,1716.07 5368.1,1758.85 cw(c5379.85,1758.85) 5379.85,1770.6 5406,1770.6 5696.5,1770.6 cw(c5696.5,1767.1) 5698.97,1769.57 cw(c5696.5,1767.1) 5700,1767.1 v1(5700,1750)
HPCC_A_38_P: J3.F16 U3.AB12 | length 3564.9
  Int7 (L8) w3.5: v1(3866.93,2807.48) 3866.93,2795.05 ccw(c3870.43,2795.05) 3867.95,2792.57 ccw(c3870.43,2795.05) 3870.43,2791.55 3870.48,2791.55 cw(c3870.48,2780.67) 3878.17,2788.36 3878.28,2788.25 cw(c3848.79,2758.76) 3890.5,2758.76 3890.5,2625 cw(c3887.36,2621.86) 3891.8,2621.86 3891.8,2509.62 ccw(c3991.8,2509.62) 3921.09,2438.91 4551.31,1808.69 ccw(c4622.02,1879.4) 4622.02,1779.4 4760,1779.4 4798.45,1779.4 cw(c4798.45,1758.85) 4819,1758.85 4819,1716.07 ccw(c4830.75,1716.07) 4842.5,1716.07 4842.5,1759.39 cw(c4863.05,1759.39) 4883.6,1759.39 4883.6,1716.07 ccw(c4895.35,1716.07) 4907.1,1716.07 4907.1,1759.39 cw(c4927.65,1759.39) 4948.2,1759.39 4948.2,1716.07 ccw(c4959.95,1716.07) 4971.7,1716.07 4971.7,1759.39 cw(c4992.25,1759.39) 5012.8,1759.39 5012.8,1716.07 ccw(c5024.55,1716.07) 5036.3,1716.07 5036.3,1759.39 cw(c5056.85,1759.39) 5077.4,1759.39 5077.4,1716.07 ccw(c5089.15,1716.07) 5100.9,1716.07 5100.9,1759.39 cw(c5121.45,1759.39) 5142,1759.39 5142,1716.07 ccw(c5153.75,1716.07) 5165.5,1716.07 5165.5,1759.39 cw(c5186.05,1759.39) 5206.6,1759.39 5206.6,1716.07 ccw(c5218.35,1716.07) 5230.1,1716.07 5230.1,1759.39 cw(c5250.65,1759.39) 5271.2,1759.39 5271.2,1716.07 ccw(c5282.95,1716.07) 5294.7,1716.07 5294.7,1759.39 cw(c5315.25,1759.39) 5335.8,1759.39 5335.8,1716.07 ccw(c5347.55,1716.07) 5359.3,1716.07 5359.3,1758.85 cw(c5379.85,1758.85) 5379.85,1779.4 5406,1779.4 5696.5,1779.4 ccw(c5696.5,1782.9) 5698.97,1780.43 ccw(c5696.5,1782.9) 5700,1782.9 v1(5700,1800)
HPCC_A_39_N: J3.F21 U3.Y12 | length 3527.8
  Int9 (L10) w3.5: 3843.1,2770.22 cw(c3827.56,2768.11) 3843.25,2768.11 3843.25,2650 cw(c3827.56,2650) 3843.24,2649.58 3843,2640.24 ccw(c3854,2639.96) 3843,2639.96 3843,2489.62 ccw(c3951.8,2489.62) 3874.87,2412.69 4685.09,1602.47 ccw(c4762.02,1679.4) 4762.02,1570.6 4889,1570.6 4927.45,1570.6 cw(c4927.45,1558.85) 4939.2,1558.85 4939.2,1518.82 ccw(c4959.75,1518.82) 4980.3,1518.82 4980.3,1559.07 cw(c4992.05,1559.07) 5003.8,1559.07 5003.8,1518.82 ccw(c5024.35,1518.82) 5044.9,1518.82 5044.9,1559.07 cw(c5056.65,1559.07) 5068.4,1559.07 5068.4,1518.82 ccw(c5088.95,1518.82) 5109.5,1518.82 5109.5,1559.07 cw(c5121.25,1559.07) 5133,1559.07 5133,1518.82 ccw(c5153.55,1518.82) 5174.1,1518.82 5174.1,1559.07 cw(c5185.85,1559.07) 5197.6,1559.07 5197.6,1518.82 ccw(c5218.15,1518.82) 5238.7,1518.82 5238.7,1559.07 cw(c5250.45,1559.07) 5262.2,1559.07 5262.2,1518.82 ccw(c5282.75,1518.82) 5303.3,1518.82 5303.3,1559.07 cw(c5315.05,1559.07) 5326.8,1559.07 5326.8,1518.82 ccw(c5347.35,1518.82) 5367.9,1518.82 5367.9,1558.85 cw(c5379.65,1558.85) 5379.65,1570.6 5419,1570.6 5696.5,1570.6 cw(c5696.5,1567.1) 5698.97,1569.57 cw(c5696.5,1567.1) 5700,1567.1 v1(5700,1550) ; 3843.1,2770.23 cw(c3854,2771.73) 3843,2771.67 3843,2800.88 cw(c3854,2800.88) 3843.01,2801.33 3843.23,2806.77 ccw(c3827.56,2807.48) 3843.24,2807.28 3843.74,2847.14 cw(c3866.93,2846.85) 3862,2869.51 3873.63,2872.04 3881.84,2880.25 ccw(c3879.36,2882.72) 3882.86,2882.72 ccw(c3879.36,2882.72) 3881.84,2885.2 ccw(c3879.36,2882.72) 3879.36,2886.22 v1(3866.93,2886.22)